# Allegro board SG2042_EVB_V1_1.brd (continued)
## Routing (per net, layer and track width the routed paths; a pad name or vN(x,y) marks a point on that pad's centre or on a via; arc(x,y) is an arc through that point) (continued)
  PWR08 w0.254: 196.56,127.16 J2.50 ; J2.50 197.22,127.82 ; J2.50 196.56,128.48 ; J2.50 195.9,127.82 ; J4.31 76.24,143.97 ; J4.31 75.58,144.63 ; J4.31 75.58,143.31 ; J4.31 74.92,143.97 ; 77.84,153.32 J4.20 77.18,152.66 ; 76.52,129.52 J4.48 ; J4.48 77.18,130.18 ; J4.48 77.84,129.52 ; J4.48 77.18,128.86 ; J2.252 201.02,73.42 ; J2.252 200.36,72.76 ; J2.252 199.7,73.42 ; J2.252 200.36,74.08 ; J3.243 70.65,81.07 ; J3.243 69.98,81.73 ; J3.243 69.98,80.41 ; J3.243 69.32,81.07 ; J4.254 81.64,71.72 ; J4.254 80.32,71.72 ; J4.254 80.98,72.38 ; J4.254 80.98,71.06 ; J4.162 80.98,155.68 ; J4.162 81.64,155.02 ; J4.162 80.98,154.36 ; J4.162 80.32,155.02 ; 204.36,139.91 J1.35 ; J1.35 203.7,140.57 ; J1.35 205.02,140.57 ; J1.35 204.36,141.23 ; 196.56,81.26 J2.98 ; J2.98 195.9,81.92 ; J2.98 197.22,81.92 ; J2.98 196.56,82.58 ; J3.103 66.85,77.67 ; J3.103 65.52,77.67 ; J3.103 66.18,77.01 ; J3.103 66.18,78.33 ; 194.3,142.27 J2.33 ; J2.33 194.96,142.93 ; J2.33 195.62,142.27 ; J2.33 194.96,141.61 ; J1.37 204.36,139.53 ; J1.37 204.36,138.21 ; J1.37 203.7,138.87 ; J1.37 205.02,138.87 ; J1.127 205.02,57.27 ; J1.127 204.36,57.93 ; J1.127 203.7,57.27 ; J1.127 204.36,56.61 ; J1.98 206.62,81.92 ; J1.98 205.96,82.58 ; J1.98 205.3,81.92 ; J1.98 205.96,81.26 ; 204.36,73.61 J1.107 ; J1.107 203.7,74.27 ; J1.107 205.02,74.27 ; J1.107 204.36,74.93 ; J1.33 205.02,142.27 ; J1.33 204.36,141.61 ; J1.33 204.36,142.93 ; J1.33 203.7,142.27 ; J2.265 198.76,63.03 ; J2.265 198.76,61.71 ; J2.265 198.1,62.37 ; J2.265 199.42,62.37 ; 76.52,131.22 J4.46 ; J4.46 77.18,131.88 ; J4.46 77.18,130.56 ; J4.46 77.84,131.22 ; J4.44 77.84,132.92 ; J4.44 77.18,132.26 ; J4.44 76.52,132.92 ; J4.44 77.18,133.58 ; J2.281 198.76,49.43 ; J2.281 198.1,48.77 ; J2.281 198.76,48.11 ; J2.281 199.42,48.77 ; 209.1,75.12 J1.250 ; J1.250 209.76,75.78 ; J1.250 209.76,74.46 ; J1.250 210.42,75.12 ; 69.98,49.81 J3.279 ; J3.279 70.65,50.47 ; J3.279 69.32,50.47 ; J3.279 69.98,51.13 ; 78.72,84.47 J4.239 ; J4.239 79.38,85.13 ; J4.239 79.38,83.81 ; J4.239 80.04,84.47 ; J3.107 66.18,74.93 ; J3.107 65.52,74.27 ; J3.107 66.85,74.27 ; J3.107 66.18,73.61 ; J1.180 210.42,139.72 ; J1.180 209.76,139.06 ; J1.180 209.1,139.72 ; J1.180 209.76,140.38 ; J2.20 197.22,153.32 ; J2.20 195.9,153.32 ; J2.20 196.56,153.98 ; J2.20 196.56,152.66 ; J3.98 67.78,82.58 ; J3.98 68.45,81.92 ; J3.98 67.12,81.92 ; J3.98 67.78,81.26 ; J3.178 72.25,141.42 ; J3.178 71.58,142.08 ; J3.178 70.92,141.42 ; J3.178 71.58,140.76 ; J2.120 196.56,63.88 ; J2.120 197.22,63.22 ; J2.120 195.9,63.22 ; J2.120 196.56,62.56 ; J3.241 69.98,83.43 ; J3.241 69.32,82.77 ; J3.241 70.65,82.77 ; J3.241 69.98,82.11 ; 71.56,232.35 ATXPWR1.15 ; ATXPWR1.15 70.1,233.82 ; ATXPWR1.15 73.02,233.82 ; ATXPWR1.15 71.56,235.28 ; 79.38,80.41 J4.243 ; J4.243 79.38,81.73 ; J4.243 80.04,81.07 ; J4.243 78.72,81.07 ; 79.38,148.41 J4.169 ; J4.169 79.38,149.73 ; J4.169 80.04,149.07 ; J4.169 78.72,149.07 ; J3.173 70.65,145.67 ; J3.173 69.32,145.67 ; J3.173 69.98,145.01 ; J3.173 69.98,146.33 ; 200.36,55.76 J2.272 ; J2.272 201.02,56.42 ; J2.272 200.36,57.08 ; J2.272 199.7,56.42 ; 203.7,53.87 J1.131 ; J1.131 205.02,53.87 ; J1.131 204.36,54.53 ; J1.131 204.36,53.21 ; J2.263 198.76,64.73 ; J2.263 199.42,64.07 ; J2.263 198.76,63.41 ; J2.263 198.1,64.07 ; J4.50 77.84,127.82 ; J4.50 77.18,127.16 ; J4.50 76.52,127.82 ; J4.50 77.18,128.48 ; J2.103 195.62,77.67 ; J2.103 194.96,77.01 ; J2.103 194.96,78.33 ; J2.103 194.3,77.67 ; J1.48 206.62,129.52 ; J1.48 205.96,130.18 ; J1.48 205.96,128.86 ; J1.48 205.3,129.52 ; 205.3,70.02 J1.112 ; J1.112 205.96,70.68 ; J1.112 205.96,69.36 ; J1.112 206.62,70.02 ; 207.5,62.37 J1.265 ; J1.265 208.82,62.37 ; J1.265 208.16,63.03 ; J1.265 208.16,61.71 ; 66.18,53.21 J3.131 ; J3.131 65.52,53.87 ; J3.131 66.18,54.53 ; J3.131 66.85,53.87 ; J1.189 208.16,132.73 ; J1.189 208.16,131.41 ; J1.189 207.5,132.07 ; J1.189 208.82,132.07 ; 194.96,53.21 J2.131 ; J2.131 195.62,53.87 ; J2.131 194.3,53.87 ; J2.131 194.96,54.53 ; J2.187 199.42,133.77 ; J2.187 198.76,133.11 ; J2.187 198.76,134.43 ; J2.187 198.1,133.77 ; 199.7,136.32 J2.184 ; J2.184 200.36,136.98 ; J2.184 200.36,135.66 ; J2.184 201.02,136.32 ; 74.92,60.67 J4.123 ; J4.123 75.58,60.01 ; J4.123 75.58,61.33 ; J4.123 76.24,60.67 ; J4.184 80.98,136.98 ; J4.184 80.98,135.66 ; J4.184 80.32,136.32 ; J4.184 81.64,136.32 ; J4.105 75.58,76.63 ; J4.105 75.58,75.31 ; J4.105 76.24,75.97 ; J4.105 74.92,75.97 ; 69.32,84.47 J3.239 ; J3.239 69.98,83.81 ; J3.239 70.65,84.47 ; J3.239 69.98,85.13 ; J4.120 77.18,63.88 ; J4.120 76.52,63.22 ; J4.120 77.18,62.56 ; J4.120 77.84,63.22 ; J2.241 198.76,83.43 ; J2.241 199.42,82.77 ; J2.241 198.76,82.11 ; J2.241 198.1,82.77 ; J3.176 71.58,143.78 ; J3.176 72.25,143.12 ; J3.176 70.92,143.12 ; J3.176 71.58,142.46 ; 74.92,138.87 J4.37 ; J4.37 76.24,138.87 ; J4.37 75.58,139.53 ; J4.37 75.58,138.21 ; 79.38,82.11 J4.241 ; J4.241 80.04,82.77 ; J4.241 78.72,82.77 ; J4.241 79.38,83.43 ; 76.52,66.62 J4.116 ; J4.116 77.84,66.62 ; J4.116 77.18,65.96 ; J4.116 77.18,67.28 ; 194.96,156.91 J2.15 194.3,157.57 ; 70.92,71.72 J3.254 ; J3.254 71.58,72.38 ; J3.254 72.25,71.72 ; J3.254 71.58,71.06 ; 198.76,65.11 J2.261 ; J2.261 198.76,66.43 ; J2.261 198.1,65.77 ; J2.261 199.42,65.77 ; J3.248 71.58,77.48 ; J3.248 72.25,76.82 ; J3.248 70.92,76.82 ; J3.248 71.58,76.16 ; J3.261 69.98,66.43 ; J3.261 70.65,65.77 ; J3.261 69.32,65.77 ; J3.261 69.98,65.11 ; J4.281 79.38,49.43 ; J4.281 79.38,48.11 ; J4.281 80.04,48.77 ; J4.281 78.72,48.77 ; 199.7,54.72 J2.274 ; J2.274 200.36,54.06 ; J2.274 201.02,54.72 ; J2.274 200.36,55.38 ; 205.96,67.66 J1.114 ; J1.114 206.62,68.32 ; J1.114 205.3,68.32 ; J1.114 205.96,68.98 ; 65.52,137.17 J3.39 ; J3.39 66.85,137.17 ; J3.39 66.18,136.51 ; J3.39 66.18,137.83 ; J4.265 79.38,63.03 ; J4.265 79.38,61.71 ; J4.265 80.04,62.37 ; J4.265 78.72,62.37 ; 80.98,140.76 J4.178 ; J4.178 81.64,141.42 ; J4.178 80.32,141.42 ; J4.178 80.98,142.08 ; 205.96,132.26 J1.44 ; J1.44 206.62,132.92 ; J1.44 205.3,132.92 ; J1.44 205.96,133.58 ; 65.52,140.57 J3.35 ; J3.35 66.85,140.57 ; J3.35 66.18,141.23 ; J3.35 66.18,139.91 ; 71.58,139.06 J3.180 ; J3.180 72.25,139.72 ; J3.180 71.58,140.38 ; J3.180 70.92,139.72 ; J4.127 75.58,57.93 ; J4.127 75.58,56.61 ; J4.127 74.92,57.27 ; J4.127 76.24,57.27 ; 78.72,150.77 J4.167 ; J4.167 79.38,151.43 ; J4.167 80.04,150.77 ; J4.167 79.38,150.11 ; J2.105 194.96,76.63 ; J2.105 195.62,75.97 ; J2.105 194.96,75.31 ; J2.105 194.3,75.97 ; J1.138 206.62,47.92 ; J1.138 205.96,48.58 ; J1.138 205.3,47.92 ; J1.138 205.96,47.26 ; 77.18,69.36 J4.112 ; J4.112 77.84,70.02 ; J4.112 77.18,70.68 ; J4.112 76.52,70.02 ; J3.118 67.78,65.58 ; J3.118 67.12,64.92 ; J3.118 68.45,64.92 ; J3.118 67.78,64.26 ; J3.187 69.98,134.43 ; J3.187 69.32,133.77 ; J3.187 69.98,133.11 ; J3.187 70.65,133.77 ; 209.76,59.16 J1.268 ; J1.268 209.76,60.48 ; J1.268 210.42,59.82 ; J1.268 209.1,59.82 ; J3.48 68.45,129.52 ; J3.48 67.78,130.18 ; J3.48 67.78,128.86 ; J3.48 67.12,129.52 ; J4.33 76.24,142.27 ; J4.33 75.58,142.93 ; J4.33 74.92,142.27 ; J4.33 75.58,141.61 ; J4.160 80.98,157.38 ; J4.160 80.32,156.72 ; J4.160 80.98,156.06 ; J4.160 81.64,156.72 ; J3.109 66.18,73.23 ; J3.109 66.85,72.57 ; J3.109 65.52,72.57 ; J3.109 66.18,71.91 ; 76.52,68.32 J4.114 ; J4.114 77.18,68.98 ; J4.114 77.84,68.32 ; J4.114 77.18,67.66 ; J2.243 198.76,81.73 ; J2.243 199.42,81.07 ; J2.243 198.76,80.41 ; J2.243 198.1,81.07 ; J4.189 79.38,132.73 ; J4.189 79.38,131.41 ; J4.189 78.72,132.07 ; J4.189 80.04,132.07 ; 208.16,46.41 J1.283 ; J1.283 208.82,47.07 ; J1.283 208.16,47.73 ; J1.283 207.5,47.07 ; 194.96,78.71 J2.101 ; J2.101 194.3,79.37 ; J2.101 195.62,79.37 ; J2.101 194.96,80.03 ; J4.22 77.18,152.28 ; J4.22 77.84,151.62 ; J4.22 76.52,151.62 ; J4.22 77.18,150.96 ; 70.92,73.42 J3.252 ; J3.252 71.58,72.76 ; J3.252 71.58,74.08 ; J3.252 72.25,73.42 ; 76.52,64.92 J4.118 ; J4.118 77.18,64.26 ; J4.118 77.18,65.58 ; J4.118 77.84,64.92 ; 195.9,134.62 J2.42 ; J2.42 197.22,134.62 ; J2.42 196.56,135.28 ; J2.42 196.56,133.96 ; J2.125 194.96,59.63 ; J2.125 194.3,58.97 ; J2.125 195.62,58.97 ; J2.125 194.96,58.31 ; J2.193 199.42,128.67 ; J2.193 198.1,128.67 ; J2.193 198.76,128.01 ; J2.193 198.76,129.33 ; J4.171 80.04,147.37 ; J4.171 79.38,148.03 ; J4.171 79.38,146.71 ; J4.171 78.72,147.37 ; J4.250 80.98,75.78 ; J4.250 80.32,75.12 ; J4.250 81.64,75.12 ; J4.250 80.98,74.46 ; 69.98,48.11 J3.281 ; J3.281 69.32,48.77 ; J3.281 70.65,48.77 ; J3.281 69.98,49.43 ; J2.96 196.56,84.28 ; J2.96 195.9,83.62 ; J2.96 197.22,83.62 ; J2.96 196.56,82.96 ; J3.263 69.98,64.73 ; J3.263 69.98,63.41 ; J3.263 69.32,64.07 ; J3.263 70.65,64.07 ; 80.32,139.72 J4.180 ; J4.180 80.98,140.38 ; J4.180 80.98,139.06 ; J4.180 81.64,139.72 ; 80.98,52.36 J4.276 ; J4.276 80.32,53.02 ; J4.276 80.98,53.68 ; J4.276 81.64,53.02 ; 65.52,75.97 J3.105 ; J3.105 66.18,76.63 ; J3.105 66.85,75.97 ; J3.105 66.18,75.31 ; J1.118 206.62,64.92 ; J1.118 205.96,65.58 ; J1.118 205.96,64.26 ; J1.118 205.3,64.92 ; 205.3,146.52 J1.28 205.96,145.86 ; 71.58,74.46 J3.250 ; J3.250 70.92,75.12 ; J3.250 71.58,75.78 ; J3.250 72.25,75.12 ; J1.259 208.16,68.13 ; J1.259 208.16,66.81 ; J1.259 207.5,67.47 ; J1.259 208.82,67.47 ; J4.35 76.24,140.57 ; J4.35 75.58,139.91 ; J4.35 74.92,140.57 ; J4.35 75.58,141.23 ; J1.187 208.16,134.43 ; J1.187 208.16,133.11 ; J1.187 207.5,133.77 ; J1.187 208.82,133.77 ; J3.42 68.45,134.62 ; J3.42 67.78,133.96 ; J3.42 67.12,134.62 ; J3.42 67.78,135.28 ; J2.17 194.96,156.53 ; J2.17 194.96,155.21 ; J2.17 194.3,155.87 ; J2.17 195.62,155.87 ; J4.131 75.58,54.53 ; J4.131 76.24,53.87 ; J4.131 74.92,53.87 ; J4.131 75.58,53.21 ; J2.44 196.56,133.58 ; J2.44 195.9,132.92 ; J2.44 197.22,132.92 ; J2.44 196.56,132.26 ; J3.191 70.65,130.37 ; J3.191 69.98,129.71 ; J3.191 69.98,131.03 ; J3.191 69.32,130.37 ; J3.116 68.45,66.62 ; J3.116 67.78,67.28 ; J3.116 67.12,66.62 ; J3.116 67.78,65.96 ; 209.1,71.72 J1.254 ; J1.254 210.42,71.72 ; J1.254 209.76,71.06 ; J1.254 209.76,72.38 ; J4.257 79.38,69.83 ; J4.257 79.38,68.51 ; J4.257 78.72,69.17 ; J4.257 80.04,69.17 ; J4.248 81.64,76.82 ; J4.248 80.98,77.48 ; J4.248 80.32,76.82 ; J4.248 80.98,76.16 ; 208.16,129.71 J1.191 ; J1.191 207.5,130.37 ; J1.191 208.82,130.37 ; J1.191 208.16,131.03 ; J4.270 80.98,58.78 ; J4.270 81.64,58.12 ; J4.270 80.32,58.12 ; J4.270 80.98,57.46 ; 77.18,81.26 J4.98 ; J4.98 77.84,81.92 ; J4.98 76.52,81.92 ; J4.98 77.18,82.58 ; 67.12,68.32 J3.114 ; J3.114 67.78,68.98 ; J3.114 68.45,68.32 ; J3.114 67.78,67.66 ; 200.36,76.16 J2.248 ; J2.248 200.36,77.48 ; J2.248 201.02,76.82 ; J2.248 199.7,76.82 ; J4.182 81.64,138.02 ; J4.182 80.32,138.02 ; J4.182 80.98,137.36 ; J4.182 80.98,138.68 ; J4.107 75.58,74.93 ; J4.107 74.92,74.27 ; J4.107 75.58,73.61 ; J4.107 76.24,74.27 ; J3.134 67.78,51.98 ; J3.134 67.12,51.32 ; J3.134 67.78,50.66 ; J3.134 68.45,51.32 ; J1.94 206.62,85.32 ; J1.94 205.96,84.66 ; J1.94 205.3,85.32 ; 76.52,148.22 J4.26 ; J4.26 77.84,148.22 ; J4.26 77.18,148.88 ; J4.26 77.18,147.56 ; J4.274 81.64,54.72 ; J4.274 80.32,54.72 ; J4.274 80.98,55.38 ; J4.274 80.98,54.06 ; J2.276 201.02,53.02 ; J2.276 200.36,53.68 ; J2.276 200.36,52.36 ; J2.276 199.7,53.02 ; J1.46 205.96,131.88 ; J1.46 206.62,131.22 ; J1.46 205.96,130.56 ; J1.46 205.3,131.22 ; J2.22 196.56,152.28 ; J2.22 195.9,151.62 ; J2.22 196.56,150.96 ; J2.22 197.22,151.62 ; J2.123 194.96,61.33 ; J2.123 195.62,60.67 ; J2.123 194.96,60.01 ; J2.123 194.3,60.67 ; 207.5,84.47 J1.239 ; J1.239 208.16,83.81 ; J1.239 208.16,85.13 ; J1.239 208.82,84.47 ; 209.76,72.76 J1.252 ; J1.252 209.76,74.08 ; J1.252 210.42,73.42 ; J1.252 209.1,73.42 ; 194.96,56.61 J2.127 ; J2.127 195.62,57.27 ; J2.127 194.3,57.27 ; J2.127 194.96,57.93 ; 196.56,48.96 J2.136 ; J2.136 197.22,49.62 ; J2.136 196.56,50.28 ; J2.136 195.9,49.62 ; 209.1,56.42 J1.272 ; J1.272 210.42,56.42 ; J1.272 209.76,55.76 ; J1.272 209.76,57.08 ; 209.76,57.46 J1.270 ; J1.270 209.1,58.12 ; J1.270 210.42,58.12 ; J1.270 209.76,58.78 ; J1.182 210.42,138.02 ; J1.182 209.76,138.68 ; J1.182 209.1,138.02 ; J1.182 209.76,137.36 ; J4.103 76.24,77.67 ; J4.103 75.58,78.33 ; J4.103 75.58,77.01 ; J4.103 74.92,77.67 ; J3.283 69.98,47.73 ; J3.283 70.65,47.07 ; J3.283 69.32,47.07 ; J3.283 69.98,46.41 ; J4.165 79.38,153.13 ; J4.165 80.04,152.47 ; J4.165 79.38,151.81 ; J4.165 78.72,152.47 ; 200.36,74.46 J2.250 ; J2.250 201.02,75.12 ; J2.250 200.36,75.78 ; J2.250 199.7,75.12 ; 75.58,58.31 J4.125 ; J4.125 74.92,58.97 ; J4.125 75.58,59.63 ; J4.125 76.24,58.97 ; J1.120 206.62,63.22 ; J1.120 205.96,63.88 ; J1.120 205.3,63.22 ; J1.120 205.96,62.56 ; 208.16,63.41 J1.263 ; J1.263 208.82,64.07 ; J1.263 208.16,64.73 ; J1.263 207.5,64.07 ; J3.265 69.98,63.03 ; J3.265 70.65,62.37 ; J3.265 69.98,61.71 ; J3.265 69.32,62.37 ; 204.36,71.91 J1.109 ; J1.109 203.7,72.57 ; J1.109 204.36,73.23 ; J1.109 205.02,72.57 ; J3.189 70.65,132.07 ; J3.189 69.98,132.73 ; J3.189 69.98,131.41 ; J3.189 69.32,132.07 ; J3.272 72.25,56.42 ; J3.272 70.92,56.42 ; J3.272 71.58,55.76 ; J3.272 71.58,57.08 ; 78.72,133.77 J4.187 ; J4.187 79.38,133.11 ; J4.187 80.04,133.77 ; J4.187 79.38,134.43 ; 69.32,128.67 J3.193 ; J3.193 69.98,128.01 ; J3.193 69.98,129.33 ; J3.193 70.65,128.67 ; J1.136 206.62,49.62 ; J1.136 205.96,50.28 ; J1.136 205.96,48.96 ; J1.136 205.3,49.62 ; 67.12,63.22 J3.120 ; J3.120 67.78,63.88 ; J3.120 67.78,62.56 ; J3.120 68.45,63.22 ; J4.263 79.38,64.73 ; J4.263 80.04,64.07 ; J4.263 78.72,64.07 ; J4.263 79.38,63.41 ; J3.44 68.45,132.92 ; J3.44 67.78,132.26 ; J3.44 67.78,133.58 ; J3.44 67.12,132.92 ; 209.76,76.16 J1.248 ; J1.248 209.76,77.48 ; J1.248 210.42,76.82 ; J1.248 209.1,76.82 ; 194.3,74.27 J2.107 ; J2.107 194.96,73.61 ; J2.107 194.96,74.93 ; J2.107 195.62,74.27 ; J2.246 201.02,78.52 ; J2.246 199.7,78.52 ; J2.246 200.36,77.86 ; J2.246 200.36,79.18 ; 204.36,60.01 J1.123 ; J1.123 203.7,60.67 ; J1.123 204.36,61.33 ; J1.123 205.02,60.67 ; 205.3,134.62 J1.42 ; J1.42 205.96,133.96 ; J1.42 206.62,134.62 ; J1.42 205.96,135.28 ; J1.103 204.36,78.33 ; J1.103 204.36,77.01 ; J1.103 205.02,77.67 ; J1.103 203.7,77.67 ; J2.283 199.42,47.07 ; J2.283 198.1,47.07 ; J2.283 198.76,47.73 ; J2.283 198.76,46.41 ; J2.112 196.56,70.68 ; J2.112 197.22,70.02 ; J2.112 196.56,69.36 ; J2.112 195.9,70.02 ; 78.72,128.67 J4.193 ; J4.193 79.38,129.33 ; J4.193 80.04,128.67 ; J4.193 79.38,128.01 ; J3.259 70.65,67.47 ; J3.259 69.98,66.81 ; J3.259 69.32,67.47 ; J3.259 69.98,68.13 ; 209.76,54.06 J1.274 ; J1.274 210.42,54.72 ; J1.274 209.76,55.38 ; J1.274 209.1,54.72 ; 204.36,143.31 J1.31 ; J1.31 204.36,144.63 ; J1.31 205.02,143.97 ; J1.31 203.7,143.97 ; J3.257 69.98,69.83 ; J3.257 69.32,69.17 ; J3.257 69.98,68.51 ; J3.257 70.65,69.17 ; 196.56,128.86 J2.48 ; J2.48 197.22,129.52 ; J2.48 196.56,130.18 ; J2.48 195.9,129.52 ; J4.272 81.64,56.42 ; J4.272 80.98,55.76 ; J4.272 80.32,56.42 ; J4.272 80.98,57.08 ; J2.129 194.96,56.23 ; J2.129 194.3,55.57 ; J2.129 195.62,55.57 ; J2.129 194.96,54.91 ; J2.24 196.56,150.58 ; J2.24 195.9,149.92 ; J2.24 196.56,149.26 ; J2.24 197.22,149.92 ; 208.16,49.81 J1.279 ; J1.279 208.16,51.13 ; J1.279 207.5,50.47 ; J1.279 208.82,50.47 ; 200.36,57.46 J2.270 ; J2.270 199.7,58.12 ; J2.270 201.02,58.12 ; J2.270 200.36,58.78 ; 71.58,77.86 J3.246 ; J3.246 72.25,78.52 ; J3.246 71.58,79.18 ; J3.246 70.92,78.52 ; 70.92,53.02 J3.276 ; J3.276 71.58,53.68 ; J3.276 71.58,52.36 ; J3.276 72.25,53.02 ; 78.72,50.47 J4.279 ; J4.279 79.38,51.13 ; J4.279 80.04,50.47 ; J4.279 79.38,49.81 ; J2.239 198.76,85.13 ; J2.239 198.1,84.47 ; J2.239 198.76,83.81 ; J2.239 199.42,84.47 ; 203.7,79.37 J1.101 ; J1.101 204.36,80.03 ; J1.101 205.02,79.37 ; J1.101 204.36,78.71 ; J1.129 204.36,56.23 ; J1.129 205.02,55.57 ; J1.129 203.7,55.57 ; J1.129 204.36,54.91 ; J2.39 195.62,137.17 ; J2.39 194.96,136.51 ; J2.39 194.3,137.17 ; J2.39 194.96,137.83 ; 79.38,46.41 J4.283 ; J4.283 80.04,47.07 ; J4.283 78.72,47.07 ; J4.283 79.38,47.73 ; 209.76,140.76 J1.178 ; J1.178 209.76,142.08 ; J1.178 209.1,141.42 ; J1.178 210.42,141.42 ; J2.134 197.22,51.32 ; J2.134 196.56,50.66 ; J2.134 196.56,51.98 ; J2.134 195.9,51.32 ; 67.78,130.56 J3.46 ; J3.46 67.12,131.22 ; J3.46 68.45,131.22 ; J3.46 67.78,131.88 ; J4.138 77.18,48.58 ; J4.138 76.52,47.92 ; J4.138 77.18,47.26 ; J4.138 77.84,47.92 ; 199.7,143.12 J2.176 ; J2.176 200.36,142.46 ; J2.176 200.36,143.78 ; J2.176 201.02,143.12 ; J4.134 77.18,51.98 ; J4.134 77.84,51.32 ; J4.134 77.18,50.66 ; J4.134 76.52,51.32 ; J1.184 210.42,136.32 ; J1.184 209.1,136.32 ; J1.184 209.76,136.98 ; J1.184 209.76,135.66 ; 196.56,67.66 J2.114 ; J2.114 196.56,68.98 ; J2.114 197.22,68.32 ; J2.114 195.9,68.32 ; 77.18,149.26 J4.24 ; J4.24 76.52,149.92 ; J4.24 77.84,149.92 ; J4.24 77.18,150.58 ; J2.118 196.56,65.58 ; J2.118 197.22,64.92 ; J2.118 195.9,64.92 ; J2.118 196.56,64.26 ; 66.18,141.61 J3.33 66.85,142.27 ; 203.7,58.97 J1.125 ; J1.125 204.36,58.31 ; J1.125 205.02,58.97 ; J1.125 204.36,59.63 ; 71.58,135.66 J3.184 ; J3.184 72.25,136.32 ; J3.184 70.92,136.32 ; J3.184 71.58,136.98 ; J2.37 194.96,139.53 ; J2.37 194.3,138.87 ; J2.37 194.96,138.21 ; J2.37 195.62,138.87 ; J1.281 208.16,49.43 ; J1.281 207.5,48.77 ; J1.281 208.82,48.77 ; J1.281 208.16,48.11 ; J3.274 71.58,55.38 ; J3.274 72.25,54.72 ; J3.274 70.92,54.72 ; J3.274 71.58,54.06 ; J2.268 201.02,59.82 ; J2.268 200.36,60.48 ; J2.268 200.36,59.16 ; J2.268 199.7,59.82 ; J2.31 195.62,143.97 ; J2.31 194.96,143.31 ; J2.31 194.96,144.63 ; J2.31 194.3,143.97 ; J2.35 194.96,141.23 ; J2.35 194.3,140.57 ; J2.35 194.96,139.91 ; J2.35 195.62,140.57 ; 196.56,47.26 J2.138 ; J2.138 195.9,47.92 ; J2.138 196.56,48.58 ; J2.138 197.22,47.92 ; 80.32,78.52 J4.246 ; J4.246 80.98,77.86 ; J4.246 81.64,78.52 ; J4.246 80.98,79.18 ; J4.259 80.04,67.47 ; J4.259 79.38,66.81 ; J4.259 78.72,67.47 ; J4.259 79.38,68.13 ; J3.268 72.25,59.82 ; J3.268 71.58,59.16 ; J3.268 71.58,60.48 ; J3.268 70.92,59.82 ; 198.1,152.47 J2.165 ; J2.165 198.76,153.13 ; J2.165 198.76,151.81 ; J2.165 199.42,152.47 ; 194.3,72.57 J2.109 ; J2.109 194.96,73.23 ; J2.109 194.96,71.91 ; J2.109 195.62,72.57 ; 77.18,48.96 J4.136 ; J4.136 77.84,49.62 ; J4.136 76.52,49.62 ; J4.136 77.18,50.28 ; 79.38,65.11 J4.261 ; J4.261 79.38,66.43 ; J4.261 80.04,65.77 ; J4.261 78.72,65.77 ; 198.76,66.81 J2.259 ; J2.259 198.76,68.13 ; J2.259 198.1,67.47 ; J2.259 199.42,67.47 ; 205.96,82.96 J1.96 ; J1.96 205.96,84.28 ; J1.96 205.3,83.62 ; J1.96 206.62,83.62 ; 75.58,54.91 J4.129 ; J4.129 74.92,55.57 ; J4.129 75.58,56.23 ; J4.129 76.24,55.57 ; 205.96,127.16 J1.50 ; J1.50 205.96,128.48 ; J1.50 206.62,127.82 ; J1.50 205.3,127.82 ; 208.16,68.51 J1.257 ; J1.257 208.82,69.17 ; J1.257 207.5,69.17 ; J1.257 208.16,69.83 ; 198.76,145.01 J2.173 ; J2.173 199.42,145.67 ; J2.173 198.76,146.33 ; J2.173 198.1,145.67 ; J2.169 199.42,149.07 ; J2.169 198.76,149.73 ; J2.169 198.76,148.41 ; J2.169 198.1,149.07 ; 196.56,147.56 J2.26 ; J2.26 197.22,148.22 ; J2.26 195.9,148.22 ; J2.26 196.56,148.88 ; 71.58,57.46 J3.270 ; J3.270 70.92,58.12 ; J3.270 71.58,58.78 ; J3.270 72.25,58.12 ; J4.96 77.18,84.28 ; J4.96 77.18,82.96 ; J4.96 77.84,83.62 ; J4.96 76.52,83.62 ; 207.5,82.77 J1.241 ; J1.241 208.82,82.77 ; J1.241 208.16,82.11 ; J1.241 208.16,83.43 ; 200.36,140.76 J2.178 ; J2.178 199.7,141.42 ; J2.178 200.36,142.08 ; J2.178 201.02,141.42 ; 66.18,56.61 J3.127 ; J3.127 66.18,57.93 ; J3.127 66.85,57.27 ; J3.127 65.52,57.27 ; J1.276 209.76,53.68 ; J1.276 209.76,52.36 ; J1.276 209.1,53.02 ; J1.276 210.42,53.02 ; 75.58,78.71 J4.101 ; J4.101 76.24,79.37 ; J4.101 75.58,80.03 ; J4.101 74.92,79.37 ; J3.182 72.25,138.02 ; J3.182 70.92,138.02 ; J3.182 71.58,137.36 ; J3.182 71.58,138.68 ; 67.78,69.36 J3.112 ; J3.112 67.78,70.68 ; J3.112 67.12,70.02 ; J3.112 68.45,70.02 ; J4.252 80.98,74.08 ; J4.252 80.98,72.76 ; J4.252 81.64,73.42 ; J4.252 80.32,73.42 ; 208.16,65.11 J1.261 ; J1.261 207.5,65.77 ; J1.261 208.82,65.77 ; J1.261 208.16,66.43 ; J1.246 210.42,78.52 ; J1.246 209.76,77.86 ; J1.246 209.1,78.52 ; J1.246 209.76,79.18 ; J2.167 199.42,150.77 ; J2.167 198.76,150.11 ; J2.167 198.76,151.43 ; J2.167 198.1,150.77 ; J3.101 66.18,80.03 ; J3.101 66.18,78.71 ; J3.101 66.85,79.37 ; J3.101 65.52,79.37 ; 80.98,142.46 J4.176 ; J4.176 80.32,143.12 ; J4.176 80.98,143.78 ; J4.176 81.64,143.12 ; J2.191 198.76,131.03 ; J2.191 198.76,129.71 ; J2.191 199.42,130.37 ; J2.191 198.1,130.37 ; 79.38,145.01 J4.173 ; J4.173 79.38,146.33 ; J4.173 80.04,145.67 ; J4.173 78.72,145.67 ; 204.36,75.31 J1.105 ; J1.105 203.7,75.97 ; J1.105 205.02,75.97 ; J1.105 204.36,76.63 ; 71.56,236.55 ATXPWR1.3 ; ATXPWR1.3 71.56,239.48 ; ATXPWR1.3 70.1,238.02 ; ATXPWR1.3 73.02,238.02 ; 67.78,82.96 J3.96 ; J3.96 67.78,84.28 ; J3.96 68.45,83.62 ; J3.96 67.12,83.62 ; 205.96,50.66 J1.134 ; J1.134 205.96,51.98 ; J1.134 205.3,51.32 ; J1.134 206.62,51.32 ; J2.28 197.22,146.52 ; J2.28 196.56,147.18 ; J2.28 196.56,145.86 ; J2.28 195.9,146.52 ; 77.18,145.86 J4.28 ; J4.28 77.84,146.52 ; J4.28 77.18,147.18 ; J4.28 76.52,146.52 ; J2.46 197.22,131.22 ; J2.46 196.56,131.88 ; J2.46 195.9,131.22 ; J2.46 196.56,130.56 ; J1.193 208.16,129.33 ; J1.193 208.16,128.01 ; J1.193 208.82,128.67 ; J1.193 207.5,128.67 ; 77.18,133.96 J4.42 ; J4.42 76.52,134.62 ; J4.42 77.18,135.28 ; J4.42 77.84,134.62 ; J1.39 204.36,137.83 ; J1.39 203.7,137.17 ; J1.39 205.02,137.17 ; J1.39 204.36,136.51 ; 198.76,68.51 J2.257 ; J2.257 199.42,69.17 ; J2.257 198.76,69.83 ; J2.257 198.1,69.17 ; 74.92,72.57 J4.109 ; J4.109 76.24,72.57 ; J4.109 75.58,71.91 ; J4.109 75.58,73.23 ; J3.125 66.85,58.97 ; J3.125 65.52,58.97 ; J3.125 66.18,59.63 ; J3.125 66.18,58.31 ; 205.3,66.62 J1.116 ; J1.116 205.96,65.96 ; J1.116 206.62,66.62 ; J1.116 205.96,67.28 ; J2.116 197.22,66.62 ; J2.116 196.56,65.96 ; J2.116 196.56,67.28 ; J2.116 195.9,66.62 ; 207.5,81.07 J1.243 ; J1.243 208.16,80.41 ; J1.243 208.16,81.73 ; J1.243 208.82,81.07 ; 80.98,59.16 J4.268 ; J4.268 81.64,59.82 ; J4.268 80.98,60.48 ; J4.268 80.32,59.82 ; J2.182 201.02,138.02 ; J2.182 199.7,138.02 ; J2.182 200.36,137.36 ; J2.182 200.36,138.68 ; J2.171 199.42,147.37 ; J2.171 198.76,146.71 ; J2.171 198.1,147.37 ; J2.171 198.76,148.03 ; 199.7,139.72 J2.180 ; J2.180 201.02,139.72 ; J2.180 200.36,140.38 ; J2.180 200.36,139.06 ; 198.1,50.47 J2.279 ; J2.279 198.76,51.13 ; J2.279 199.42,50.47 ; J2.279 198.76,49.81 ; 66.18,138.21 J3.37 ; J3.37 65.52,138.87 ; J3.37 66.18,139.53 ; J3.37 66.85,138.87 ; 65.52,60.67 J3.123 ; J3.123 66.18,61.33 ; J3.123 66.85,60.67 ; J3.123 66.18,60.01 ; 67.78,48.96 J3.136 ; J3.136 68.45,49.62 ; J3.136 67.12,49.62 ; J3.136 67.78,50.28 ; 67.12,127.82 J3.50 ; J3.50 68.45,127.82 ; J3.50 67.78,127.16 ; J3.50 67.78,128.48 ; 77.18,84.66 J4.94 ; J4.94 76.52,85.32 ; J4.94 77.84,85.32 ; J4.191 80.04,130.37 ; J4.191 78.72,130.37 ; J4.191 79.38,129.71 ; J4.191 79.38,131.03 ; 198.1,132.07 J2.189 ; J2.189 198.76,131.41 ; J2.189 198.76,132.73 ; J2.189 199.42,132.07 ; J3.138 68.45,47.92 ; J3.138 67.78,48.58 ; J3.138 67.12,47.92 ; J3.138 67.78,47.26 ; 67.78,84.66 J3.94 ; J3.94 67.12,85.32 ; J3.94 68.45,85.32 ; 199.7,71.72 J2.254 ; J2.254 201.02,71.72 ; J2.254 200.36,71.06 ; J2.254 200.36,72.38 ; J3.129 66.85,55.57 ; J3.129 66.18,56.23 ; J3.129 66.18,54.91 ; J3.129 65.52,55.57 ; 195.9,85.32 J2.94 ; J2.94 196.56,84.66 ; J2.94 197.22,85.32 ; 209.1,143.12 J1.176 209.76,142.46 ; J4.39 76.24,137.17 ; J4.39 75.58,137.83 ; J4.39 74.92,137.17 ; J4.39 75.58,136.51